# Altium PCB H204_without WiFi.PcbDoc (part 3 of 3)
Units mm, origin at the board's own origin, x right, y up, seen from the top; angles counter-clockwise.
Board outline 25 x 64 mm, 6 copper layers (Top Layer, Signal Layer 2, Internal Plane 3, Internal Plane 4, Signal Layer 5, Bottom Layer), stack 1.611 mm thick; 221 components, 142 nets, 826 pads, 353 vias.
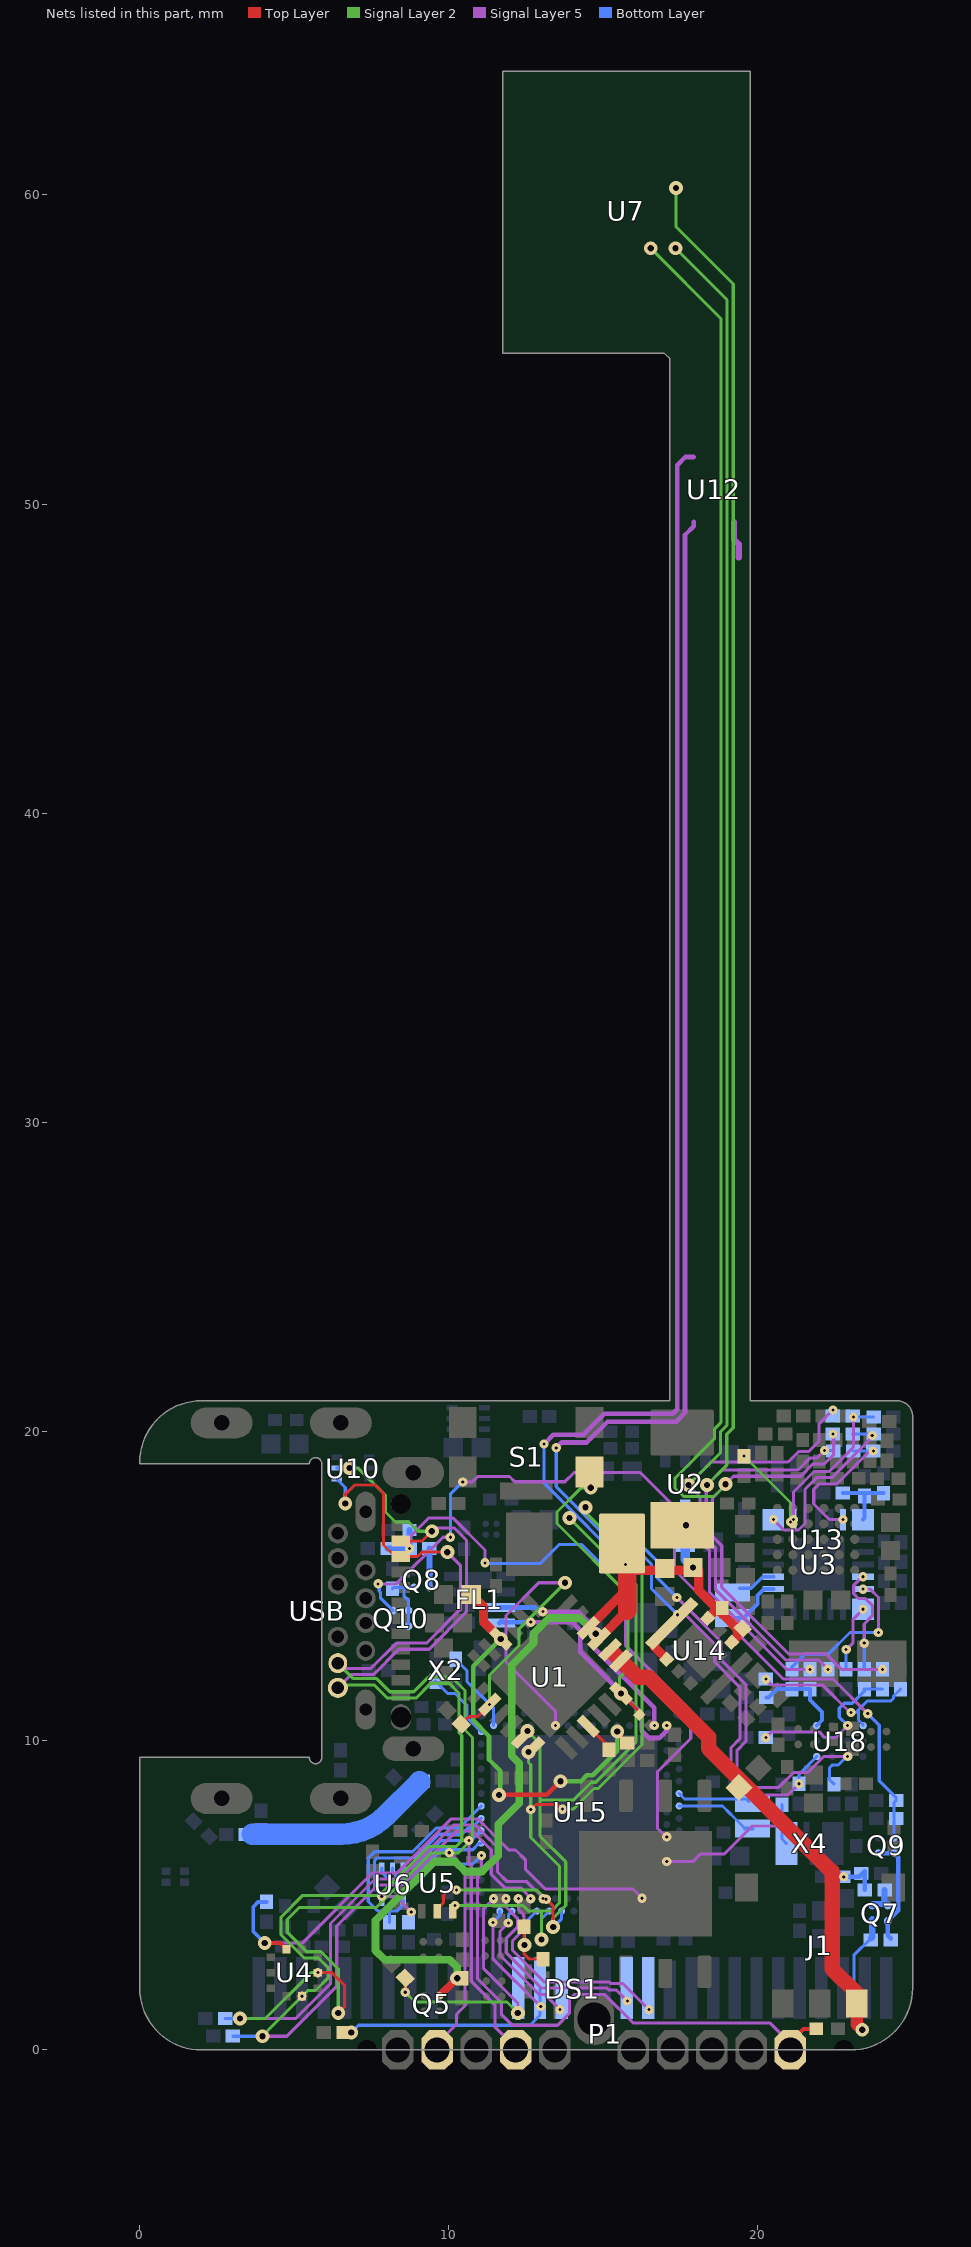
[diagram p7: the nets of this part, all layers, seen from the top]

## Via types
v1: diameter 0.3, hole 0.1, Signal Layer 5 to Bottom Layer, tented both sides, 123 vias
v2: diameter 0.45, hole 0.2, Top Layer to Bottom Layer, tented both sides, 108 vias
v3: diameter 0.3, hole 0.1, Top Layer to Signal Layer 2, tented both sides, 55 vias
v4: diameter 0.45, hole 0.2, Signal Layer 5 to Bottom Layer, tented both sides, 32 vias
v5: diameter 0.45, hole 0.2, Top Layer to Signal Layer 2, tented both sides, 23 vias
v6: diameter 0.45, hole 0.2, Signal Layer 2 to Signal Layer 5, tented both sides, 12 vias

## Nets (pads, with @x,y where several pads share a name; then routed paths per layer and width w, separated by ;. In a path a pad name is that pad's centre, name@x,y a point inside that pad or via, vN(x,y) a via of type N, cw(c..) or ccw(c..) an arc to the next point about the centre after c; other vN are vias at no path point) (continued)
NetQ7_D: Q7.D R64.1 | length 1
  Bottom Layer w0.2: Q7.D@23.697,4.672 23.749,4.725 Q7.D@24.197,4.725 ; Q7.D@24.095,4.725 R64.1@24.095,5.176
NetQ7_G: Q7.G Q9.D R5.1 | length 3.5
  Bottom Layer w0.15: Q9.D@23.9,6.367 Q9.D@24.4,6.367 24.537,6.23 24.537,4.513 Q7.G@24.197,4.172 24.197,3.703 R5.1@24.293,3.607
NetQ8_D: Q8.D R66.1 | length 1.3
  Bottom Layer w0.2: R66.1@9.37,16.217 9.373,16.214 Q8.D@9.373,15.46 Q8.D@9.373,14.96
NetQ8_G: Q8.G Q10.D R7.1 | length 2
  Bottom Layer w0.1: R7.1@8.173,14.919 8.214,14.96 Q8.G@8.873,14.96 ; 8.544,14.96 8.544,14.686 8.7,14.53 Q10.D@8.7,14.21 Q10.D@8.7,13.71
NetQ9_G: Q9.G Q10.G R1.2 R3.2 | length 28.2
  Signal Layer 5 w0.1: v1(7.713,15.076) 8.303,15.076 9.81,16.583 v1(10.05,16.583) ; v1(10.45,18.374) 10.756,18.374 10.932,18.55 11.963,18.55 12.135,18.378 13.754,18.378 14.052,18.676 16.187,18.676 17.298,17.565 17.298,15.522 20.82,12 22.426,12 v1(23.55,10.876)
  Bottom Layer w0.1: v1(7.713,15.076) 7.75,15.076 7.75,14.842 7.785,14.807 7.785,14.625 Q10.G@8.2,14.21 ; v1(10.05,16.583) 10.05,17.974 v1(10.45,18.374) ; v1(23.55,10.876) 23.923,10.503 23.923,8.706 24.468,8.161 R1.2@24.468,8.067 24.4,7.999 Q9.G@24.4,6.867
NetR9_2: R9.2 U1.9 | length 1
  Top Layer w0.1: U1.9@14.507,10.469 15.173,9.803 R9.2@15.173,9.712
NetR12_2: R12.2 U12.4 | length 1.2
  Signal Layer 5 w0.2: U12.4@19.225,49.425 19.225,48.85 19.375,48.7 R12.2@19.375,48.275
NetR26_2: R26.2 U13.B2 | length 2.8
  Signal Layer 2 w0.1: v3(19.55,19.21) 21.05,17.71 v3(21.05,17.076)
NetR36_2: R36.2 R52.1 R59.1 U3.19 | length 2.2
  Bottom Layer w0.125: R36.2@22.743,18.01 R59.1@23.45,18.01 ; U3.19@23.398,17.155 23.45,17.207 R59.1@23.45,18.01 ; R52.1@24.06,18.01 R59.1@23.45,18.01
NetR43_2: R43.2 U3.24 | length 5.1
  Signal Layer 5 w0.1: v1(23.398,14.905) 23.629,14.905 23.898,14.636 23.898,13.506 v1(23.892,13.5)
  Bottom Layer w0.1: R43.2@21.093,12.312 21.093,12.383 21.509,12.8 22.277,12.8 22.977,13.5 v1(23.892,13.5)
NetR44_2: R44.2 U3.1 | length 2.2
  Signal Layer 5 w0.1: v1(22.851,12.95) 23.076,13.175 23.076,13.933 v1(23.398,14.255)
  Bottom Layer w0.1: R44.2@22.851,12.312 v1(22.851,12.95)
NetR46_2: R46.2 U3.23 | length 3.6
  Signal Layer 5 w0.1: v1(23.398,15.305) 23.374,15.305 23.098,15.029 23.098,14.752 23.245,14.605 23.472,14.605 23.698,14.379 23.698,14.04 23.438,13.779 v1(23.438,13.159)
  Bottom Layer w0.1: R46.2@23.438,12.312 v1(23.438,13.159)
NetR48_2: R48.2 R55.1 U3.14 | length 5.1
  Signal Layer 5 w0.1: v1(21.148,17.155) 21.148,18.045 21.813,18.71 22.3,18.71 23.087,19.497 v1(23.087,20.476)
  Bottom Layer w0.1: R55.1@23.063,20.5 v1(23.087,20.476) R48.2@23.74,20.476
NetR49_2: R49.2 R53.1 U3.13 | length 6
  Signal Layer 5 w0.1: v1(20.498,17.155) 20.836,16.817 21.309,16.817 21.52,17.028 21.52,18.134 21.601,18.215 21.603,18.215 21.603,18.217 21.896,18.51 22.383,18.51 23.697,19.824 v1(23.697,19.876)
  Bottom Layer w0.1: R53.1@23.063,19.92 R49.2@23.74,19.92 v1(23.697,19.876)
NetR50_2: R50.2 R54.1 U3.18 | length 4.7
  Signal Layer 5 w0.1: v1(22.748,17.155) 22.307,17.155 21.803,17.659 21.803,18.134 21.979,18.31 22.558,18.31 23.624,19.376 v1(23.73,19.376)
  Bottom Layer w0.1: R54.1@23.08,19.376 v1(23.73,19.376)
NetR69_1: R69.1 X4.3 | length 1.3
  Bottom Layer w0.1: R69.1@20.775,7.933 20.775,6.823 X4.3@20.923,6.675
NetU3_8: U3.8 X3.1 | length 2.1
  Bottom Layer w0.125: X3.1@18.924,13.9 X3.1@19.174,13.9 ; X3.1@19.174,13.975 19.537,13.975 19.986,14.423 19.986,14.699 20.192,14.905 U3.8@20.498,14.905
NetU3_9: U3.9 X3.2 | length 1.2
  Bottom Layer w0.125: X3.2@19.413,14.932 19.782,14.932 20.155,15.305 U3.9@20.498,15.305
NetU14_1: U14.1 U14.7 | length 1
  Top Layer w0.3: U14.7@16.661,13.242 16.661,13.021 U14.1@17.046,12.636 ; U14.7@17.046,13.626 U14.7@17.214,13.794
NetU15_N1: U15.N1 X1.1 | length 2.4
  Bottom Layer w0.1: U15.N1@17.448,8.292 17.623,8.117 19.623,8.117 X1.1@19.7,8.04
NetU15_R1: U15.R1 X1.2 | length 2.7
  Bottom Layer w0.1: U15.R1@17.448,7.892 18.853,7.892 19.105,7.64 19.193,7.552 X1.2@19.581,7.165
  Bottom Layer w0.125: X1.2@19.581,7.165 X1.2@19.825,7.165
OLED_CS: DS1.13 R70.2 U15.AK30 | length 8.7
  Top Layer w0.1: v3(8.591,1.866) R70.2@8.591,2.329
  Signal Layer 5 w0.1: v1(11.448,4.892) 11.125,4.569 11.125,2.623 12.231,1.517 v2(12.231,1.2)
  Signal Layer 2 w0.1: v3(8.591,1.866) 8.906,1.551 11.88,1.551 v2(12.231,1.2)
OLED_D/C: DS1.15 U15.AL27 | length 4.3
  Signal Layer 5 w0.1: v1(11.925,4.105) 11.657,3.837 11.657,3.058 12.916,1.8 13.103,1.8 v1(13.599,1.304)
  Bottom Layer w0.1: v1(11.925,4.105) 11.925,4.369 U15.AL27@12.048,4.492
OLED_EN: R4.1 R8.1 U15.AL23 | length 3
  Top Layer w0.1: R8.1@12.425,3.992 12.425,3.117 12.604,2.938 R4.1@13.05,2.938 ; v2(12.448,3.39) v2@12.598,3.39
  Bottom Layer w0.1: v2(12.448,3.39) 12.448,3.779 12.525,3.856 12.525,4.169 U15.AL23@12.848,4.492
OLED_RES: DS1.14 R71.2 U15.AL29 | length 11
  Signal Layer 5 w0.1: v1(11.425,4.127) 11.425,2.954 v1(12.974,1.405)
  Bottom Layer w0.1: v2(6.844,0.567) 7.076,0.8 12.625,0.8 12.95,1.125 DS1.14@12.95,2 ; v1(11.425,4.127) 11.648,4.351 U15.AL29@11.648,4.492
OLED_SCLK: DS1.18 U15.AK28 | length 6.6
  Signal Layer 5 w0.1: v1(11.848,4.892) 11.848,4.624 12.224,4.248 12.224,4.23 12.225,4.229 12.225,3.981 11.857,3.613 11.857,3.141 12.999,2 15.114,2 15.169,1.945 15.408,1.945 v1(15.773,1.58)
OLED_SDIN: DS1.19 U15.AK26 | length 7.1
  Signal Layer 5 w0.1: v1(12.248,4.892) 12.248,4.542 12.424,4.366 12.424,4.313 12.425,4.312 12.425,3.898 12.057,3.53 12.057,3.224 13.081,2.2 15.197,2.2 15.252,2.145 15.632,2.145 v1(16.473,1.304)
Pres_INT: R24.2 U4.7 U15.AK6 | length 17.7
  Top Layer w0.125: v2(4.045,3.455) 4.558,3.455 U4.7@4.75,3.263
  Signal Layer 5 w0.1: v2(4.045,3.455) 5.255,3.455 7.53,5.73 8.33,5.73 10.076,7.476 10.936,7.476 11.346,7.066 11.346,7.06 11.938,6.468 12.157,6.468 12.475,6.15 12.475,5.851 13.119,5.207 15.957,5.207 16.248,4.917 v1(16.248,4.908)
  Bottom Layer w0.125: v2(4.045,3.455) 3.673,3.827 3.673,4.627 3.832,4.786 R24.2@4.098,4.786
PSEL: R62.1 U1.2 U15.B20 | length 12.7
  Top Layer w0.1: R62.1@10.4,10.534 10.646,10.78 10.929,10.78 U1.2@11.325,11.176
  Signal Layer 5 w0.1: v1(13.448,10.492) 13.448,10.952 11.851,12.548 11.851,14.053 12.912,15.113 v2(13.763,15.113)
  Signal Layer 2 w0.1: v3(11.322,11.18) 11.322,12.127 12.275,13.08 12.275,13.625 v2(13.763,15.113)
QON: D1.2 S1.2 U1.12 | length 9.9
  Top Layer w0.1: S1.2@14.55,18.7 14.591,18.659 v5(14.591,18.186) ; v5(15.568,11.53) 16.161,10.937 D1.2@16.161,10.839 D1.2@16.213,10.839
  Signal Layer 2 w0.1: v5(14.591,18.186) 14.284,18.186 13.5,17.402 13.5,17.028 15.8,14.728 15.8,12.33 15.525,12.055 15.525,11.573 v5(15.568,11.53)
R\E\S\E\T\: C21.1 P1.10 U6.4 U15.AC31 | length 21
  Top Layer w0.125: P1.10@21.228,0.441 21.467,0.68 C21.1@21.883,0.68
  Signal Layer 5 w0.1: v1(11.055,6.292) 11.055,5.73 10.925,5.6 10.925,2.308 11.7,1.533 11.7,1.15 12.05,0.8 13.519,0.8 13.899,1.18 13.899,1.625 14.074,1.8 15.031,1.8 15.956,0.875 20.375,0.875 P1.10@21.05,0.2
  Bottom Layer w0.1: U6.4@7.83,5.887 7.83,5.748 8.215,5.362 8.909,5.362 9.564,6.017 10.773,6.017 U15.AC31@11.048,6.292 v1(11.055,6.292)
REGN: C33.1 R31.1 U1.22 | length 13.1
  Top Layer w0.1: v5(15.448,10.298) R31.1@15.778,9.967
  Top Layer w0.15: v5(11.626,8.25) 13.169,8.25 v5(13.611,8.692)
  Top Layer w0.3: C33.1@10.725,14.73 11.124,14.331 11.124,13.853 v5(11.679,13.297)
  Signal Layer 2 w0.15: v5(11.626,8.25) 11.664,8.288 11.664,9.032 11.3,9.396 11.3,10.144 10.786,10.658 10.786,12.405 v5(11.679,13.297) ; v5(13.611,8.692) 14.275,8.692 14.466,8.883 14.659,8.883 15.448,9.673 v5(15.448,10.298)
RF: C78.2 L3.1 L4.1 L6.1 | length 6
  Bottom Layer w0.7: L4.1@3.65,6.98 6.517,6.98 ccw(c6.517,9.029) 7.966,7.58 L6.1@9.052,8.666
RSTN_1.8V: R45.2 R47.1 U18.A3 | length 5.7
  Signal Layer 5 w0.1: v1(20.254,11.992) 20.447,11.8 22.092,11.8 22.979,10.914 v1(23.009,10.914)
  Bottom Layer w0.1: v1(23.009,10.914) 23.163,10.914 23.25,11 ; U18.A3@23.4,10.492 23.4,10.522 23.25,10.672 23.25,11 ; R47.1@24.61,11.672 24.384,11.446 24.384,11.375 24.296,11.287 23.537,11.287 23.25,11
RX: R32.1 U6.3 U15.U31 | length 6.6
  Signal Layer 5 w0.1: v1(7.83,4.969) 8.276,4.969 v1(8.784,4.462)
  Bottom Layer w0.1: U6.3@7.83,4.837 v1(7.83,4.969) 7.595,5.204 7.595,6.124 7.683,6.212 8.91,6.212 9.675,6.977 10.415,6.977 10.614,7.175 10.731,7.175 U15.U31@11.048,7.492
SCL1: R29.2 U1.5 U5.13 U12.1 U15.AL19 U18.D1 | length 78.6
  Top Layer w0.1: U5.13@9.624,4.487 9.624,4.562 9.825,4.763 9.825,5.01 9.991,5.176 v3(10.25,5.176) ; v3(13.149,4.876) 13.375,4.65 v2(13.375,3.973)
  Signal Layer 5 w0.1: v1(17.4,14.076) 17.654,14.076 18.6,13.13 18.6,12.547 19.414,11.733 19.414,10.069 19.125,9.78 19.125,8.8 19.675,8.25 20.97,8.25 v1(21.329,8.609)
  Signal Layer 5 w0.15: v1(13.081,19.6) 13.381,19.9 14.355,19.9 15.03,20.575 17.246,20.575 17.389,20.718 17.389,51.264 17.65,51.525 U12.1@17.925,51.525
  Signal Layer 2 w0.1: v3(10.25,5.176) 12.849,5.176 v3(13.149,4.876) ; v5(12.547,10.312) 12.95,9.909 12.95,6.915 13.781,6.084 13.781,4.673 13.375,4.268 v2(13.375,3.973) ; 12.95,8.088 14.042,8.088 14.612,8.658 14.752,8.658 16.05,9.957 16.05,15.056 v2(13.899,17.207)
  Bottom Layer w0.1: v1(13.081,19.6) 13.081,18.329 14.051,17.359 15.011,16.4 15.862,16.4 16.556,15.706 16.556,14.92 v1(17.4,14.076) ; v2(13.375,3.973) 13.648,4.246 U15.AL19@13.648,4.492 ; v1(21.329,8.609) 21.329,8.922 U18.D1@21.9,9.492
SCL1_1.8V: R37.2 R41.2 R43.1 U18.D3 | length 2.9
  Bottom Layer w0.125: R41.2@20.27,11.404 20.341,11.404 20.609,11.672 R43.1@21.093,11.672 R37.2@21.679,11.672 21.679,11.321 22.073,10.927 22.073,10.665 U18.D3@21.9,10.492
SCL2: R21.2 U4.2 U10.5 U15.AK24 USB.A2 USB.B2 | length 51.3
  Top Layer w0.1: USB.A2@8.263,16.46 USB.A2@8.45,16.46 9.134,16.46 v2(9.45,16.776)
  Signal Layer 5 w0.1: v2(3.972,0.442) 4.76,0.442 6.375,2.057 6.375,4.009 7.695,5.33 8.495,5.33 10.242,7.076 10.771,7.076 10.946,6.9 10.946,6.894 11.373,6.467 11.373,5.673 11.803,5.242 12.322,5.242 12.648,4.917 v1(12.648,4.892) ; USB.B2@6.41,11.71 6.842,12.142 7.566,12.142 8.384,12.96 9.363,12.96 10.574,14.171 10.574,16.483 10.174,16.883 9.557,16.883 v2(9.45,16.776)
  Signal Layer 2 w0.1: v2(3.972,0.442) 3.972,0.459 v3(5.25,1.737) 5.438,1.925 5.69,1.925 6.1,2.335 6.1,2.656 5.78,2.976 5.32,2.976 4.575,3.721 4.575,4.3 5.275,5 7.769,5 9.344,6.575 10.231,6.575 10.419,6.763 10.419,10.174 10.325,10.267 10.325,11.545 10.01,11.86 9.42,11.86 8.945,11.385 8.007,11.385 7.582,11.81 6.41,11.81 USB.B2@6.41,11.71 ; v2(6.786,18.82) 7.075,18.82 7.95,17.945 7.95,17.402 8.275,17.077 8.714,17.077 9.015,16.776 v2(9.45,16.776)
  Bottom Layer w0.1: R21.2@3.016,0.444 3.97,0.444 v2(3.972,0.442) ; U10.5@6.375,18.82 v2(6.786,18.82)
SDA1: R30.2 U1.6 U5.14 U12.6 U15.AL21 U18.B1 | length 76.8
  Top Layer w0.1: v3(12.65,7.776) 12.814,7.94 13.527,7.94 v3(13.679,7.788)
  Signal Layer 5 w0.1: v1(17.375,14.638) 18.8,13.213 18.8,12.63 19.614,11.816 19.614,9.987 19.325,9.697 19.325,8.883 19.716,8.492 20.673,8.492 21.153,8.972 21.605,8.972 22.125,9.492 v1(22.9,9.492)
  Signal Layer 5 w0.15: v1(13.475,19.476) 13.649,19.65 14.458,19.65 15.133,20.325 17.349,20.325 17.639,20.614 17.639,49.002 17.925,49.289 U12.6@17.925,49.425
  Signal Layer 2 w0.1: v3(10.2,4.676) 12.389,4.676 12.565,4.5 12.998,4.5 ; v5(12.575,9.633) 12.575,9.3 12.65,9.225 v3(12.65,7.776) 12.65,6.871 13.581,5.94 13.581,4.756 13.325,4.5 12.998,4.5 ; v2(12.998,3.572) 12.998,4.5 ; v3(13.679,7.788) 14.025,7.788 14.695,8.458 14.835,8.458 16.25,9.874 16.25,15.552 14.426,17.376 v2(14.426,17.551)
  Bottom Layer w0.1: v2(12.998,3.572) 12.998,4.242 U15.AL21@13.248,4.492 ; v1(13.475,19.476) 13.475,18.219 v2@14.284,17.409 ; v2(14.426,17.551) v2@14.284,17.409 ; v1(17.375,14.638) 16.756,15.257 16.756,15.789 15.944,16.6 15.094,16.6 v2@14.284,17.409 ; R30.2@22.464,8.596 22.315,8.744 22.315,9.125 22.413,9.222 22.604,9.222 22.874,9.492 v1(22.9,9.492)
SDA1_1.8V: R38.2 R42.2 R46.1 U18.B3 | length 5.3
  Signal Layer 5 w0.1: v1(20.254,10.102) 20.441,10.288 21.978,10.288 22.164,10.102 22.51,10.102 v1(22.9,10.492)
  Bottom Layer w0.1: v1(22.9,10.492) 22.628,10.764 22.628,11.058 22.784,11.214 23.05,11.214 23.438,11.601 R46.1@23.438,11.672 R38.2@24.024,11.672
SDA2: R20.2 U4.4 U10.4 U15.AK22 USB.A3 USB.B3 | length 54.9
  Top Layer w0.1: v3(5.762,2.5) 6.224,2.5 6.627,2.097 6.627,1.396 v5(6.423,1.192) ; v2(6.65,17.676) 6.65,17.972 6.954,18.276 7.616,18.276 7.888,18.004 7.888,16.335 8.263,15.96 USB.A3@8.45,15.96 8.991,15.96 9.132,16.101 v2(9.95,16.101)
  Signal Layer 5 w0.1: v2(3.248,1.017) 5.053,1.017 6.175,2.14 6.175,4.092 7.612,5.53 8.412,5.53 10.159,7.276 10.853,7.276 11.146,6.983 11.146,6.977 11.573,6.55 11.573,5.756 11.886,5.442 12.522,5.442 13.048,4.917 v1(13.048,4.892) ; USB.B3@6.41,12.51 6.578,12.342 7.483,12.342 8.301,13.16 9.28,13.16 10.374,14.254 10.374,15.678 v2(9.95,16.101)
  Signal Layer 2 w0.1: v2(3.248,1.017) 4.067,1.017 5.55,2.5 v3(5.762,2.5) ; USB.B3@6.41,12.51 6.91,12.01 7.665,12.01 8.09,11.585 8.862,11.585 9.337,12.06 10.092,12.06 10.525,11.627 10.525,10.35 10.767,10.108 10.767,6.828 10.314,6.375 9.426,6.375 7.663,4.612 5.17,4.612 4.775,4.217 4.775,3.804 5.403,3.176 5.863,3.176 6.423,2.616 v5(6.423,1.192)
  Bottom Layer w0.1: R20.2@2.768,1.017 v2(3.248,1.017) ; U10.4@6.375,18.47 6.65,18.195 v2(6.65,17.676)
Sensor_INT_1.8V: R40.1 R54.2 U7.13 | length 55.9
  Signal Layer 5 w0.1: v1(22.15,19.386) 21.915,19.151 21.688,19.151 21.295,18.757 18.831,18.757 v2(18.35,18.276) 18.325,18.251 18.325,16.533 18.629,16.229 18.629,14.887 20.903,12.612 21.965,12.612 v1(22.265,12.312)
  Signal Layer 2 w0.1: v6(17.35,60.226) 17.35,58.969 19.2,57.119 19.2,20.125 18.989,19.914 18.989,18.915 v2(18.35,18.276)
  Bottom Layer w0.1: v1(22.15,19.386) 22.43,19.386 R54.2@22.44,19.376
Sensor_SCL_1.8V: R37.1 R55.2 U7.2 | length 55.3
  Signal Layer 5 w0.1: v1(21.679,12.312) 20.92,12.312 18.429,14.804 18.429,16.146 18.125,16.45 18.125,17.899 v2(17.748,18.276) 18.487,19.015 20.975,19.015 21.311,19.351 21.631,19.351 21.978,19.698 21.978,20.255 v1(22.423,20.7)
  Signal Layer 2 w0.1: v6(17.33,58.276) 19,56.606 19,20.208 18.789,19.996 18.789,19.317 v2(17.748,18.276)
Sensor_SDA_1.8V: R38.1 R53.2 U7.3 | length 58.1
  Signal Layer 5 w0.1: v1(22.423,19.92) 22.45,19.893 22.45,19.262 22.139,18.951 21.771,18.951 21.378,18.557 19.207,18.557 v2(18.95,18.3) 18.95,18.275 18.525,17.85 18.525,17.382 18.526,17.381 18.526,16.615 18.829,16.312 18.829,14.969 20.986,12.812 22.196,12.812 22.696,12.312 v1(24.024,12.312)
  Signal Layer 2 w0.1: v6(16.53,58.276) 18.8,56.006 18.8,20.291 18.589,20.079 18.589,19.764 17.317,18.493 17.317,18.176 17.594,17.9 18.575,17.9 18.95,18.275 v2(18.95,18.3)
SWDCLK: P1.4 U6.6 U15.W31 | length 10.2
  Signal Layer 5 w0.1: v1(10.646,6.776) 10.646,6.031 10.725,5.952 10.725,2.225 11.5,1.45 11.5,0.734 11.729,0.505 P1.4@12.225,0.505
  Bottom Layer w0.1: U6.6@8.53,5.887 8.868,5.887 9.757,6.776 v1(10.646,6.776) 10.732,6.776 U15.W31@11.048,7.092
SWDIO: P1.2 U6.5 U15.AA31 | length 10
  Signal Layer 5 w0.1: P1.2@9.861,0.441 10.25,0.83 10.25,1.15 10.525,1.425 10.525,5.87 v1(10.015,6.38)
  Bottom Layer w0.1: U6.5@8.18,5.887 8.18,5.748 8.365,5.562 8.826,5.562 9.74,6.476 10.771,6.476 10.946,6.652 10.946,6.676 11.032,6.676 U15.AA31@11.048,6.692
TX: R6.1 U6.1 U15.R31 | length 7.6
  Bottom Layer w0.1: R6.1@8.075,4.125 8.075,4.475 8.05,4.5 ; U6.1@8.53,4.837 8.53,4.698 8.332,4.5 8.05,4.5 ; U15.R31@11.048,7.892 10.333,7.177 9.592,7.177 8.827,6.412 7.6,6.412 7.395,6.207 7.395,4.8 7.695,4.5 8.05,4.5
USB_N: FL1.7 U15.B4 | length 7.3
  Signal Layer 5 w0.15: v1(13.041,14.176) 14.19,14.176 14.709,13.657 14.709,13 16.644,11.065 v1@16.644,10.492
  Bottom Layer w0.15: FL1.7@11.639,14.312 12.785,14.312 12.921,14.176 v1(13.041,14.176)
  other v1: 16.648,10.492
USB_P: FL1.8 U15.B2 | length 8
  Signal Layer 5 w0.15: v1(12.65,13.837) 13.993,13.837 14.254,13.576 14.254,12.884 16.24,10.897 16.24,10.325 16.477,10.088 16.811,10.088 17.048,10.325 v1(17.048,10.492)
  Bottom Layer w0.15: FL1.8@11.639,13.812 11.64,13.811 11.705,13.876 11.744,13.837 v1(12.65,13.837)
VBat: C66.1 J1.1 Q7.S R5.2 U1.13 U1.14 | length 19.7
  Top Layer w0.4: J1.1@23.2,1.5 23.2,0.826 v2(23.373,0.653)
  Top Layer w0.5: U1.14@15.314,12.844 U1.13@15.568,12.59 16.098,12.06 16.458,12.06 18.402,10.116 18.402,9.756 22.4,5.758 22.4,2.625 23.2,1.825 J1.1@23.2,1.5
  Bottom Layer w0.1: v2(23.373,0.653) 23.1,0.926 23.1,3.062 23.644,3.607 R5.2@23.653,3.607
  Bottom Layer w0.2: R5.2@23.653,3.607 23.697,3.65 Q7.S@23.697,4.225
VBat_M: C90.1 R64.2 R65.1 U15.AD2 | length 8.2
  Signal Layer 5 w0.1: v1(17.048,6.092) 17.891,6.092 18.135,6.337 18.909,6.337 19.822,7.25 21.123,7.25 v1(22.773,5.6)
  Bottom Layer w0.15: v1(22.773,5.6) 23.28,5.6 23.455,5.775 R64.2@23.455,5.176
Vsys: C81.1 C86.1 C92.1 C93.1 C94.1 L1.2 L7.1 Q5.S R13.2 U1.15 U1.16 U2.5 U14.4 U14.6 | length 33.7
  Top Layer w0.25: Q5.S@9.7,1.75 v5(10.27,2.32) R13.2@10.425,2.32
  Top Layer w0.3: U1.16@14.507,13.651 15.775,14.919 ; U1.15@14.861,13.297 15.775,14.212 ; L1.2@15.525,16.61 L1.2@15.775,16.36 ; L1.2@15.775,15.517 18.085,15.517 18.085,14.858 18.641,14.303 C94.1@18.677,14.267 ; U14.6@18.372,13.962 C94.1@18.677,14.267 ; U14.4@19.15,13.184 19.322,13.356 19.322,13.631 18.874,14.08 18.864,14.08 C94.1@18.677,14.267
  Top Layer w0.6: 15.775,14.212 15.775,14.919 15.775,15.517 L1.2@15.775,16.36
  Signal Layer 2 w0.25: v5(10.27,2.32) 10.27,2.67 10.023,2.917 7.924,2.917 7.625,3.216 7.625,4.185 9.533,6.092 10.208,6.092 10.525,5.775 11.085,5.775 11.597,6.287 11.597,7.302 12.276,7.981 12.276,9.274 12.033,9.517 12.033,12.449 12.74,13.156 12.74,13.463 13.251,13.975 14.235,13.975 v5(14.75,13.46)
  Bottom Layer w0.3: U2.5@17.648,17.405 17.648,15.852 v2(17.898,15.602)
  other v2: 17.675,16.97
VUSB_M: C91.1 R66.2 R67.1 U15.Y2 | length 20.6
  Signal Layer 5 w0.1: v1(8.73,16.217) 8.73,16.586 9.345,17.202 10.138,17.202 11.169,16.171 v1(11.169,15.755) ; v1(15.708,15.705) 15.708,13.093 17.825,10.976 17.825,10.075 16.748,8.998 16.748,7.168 17.024,6.892 v1(17.048,6.892)
  Bottom Layer w0.1: v1(11.169,15.755) 11.189,15.734 12.962,15.734 13.581,16.353 14.281,16.353 14.929,15.705 v1(15.708,15.705)
  Bottom Layer w0.2: R67.1@8.018,16.217 v1(8.73,16.217) C91.1@8.73,16.817
XC1: U15.C31 X2.1 | length 2.4
  Bottom Layer w0.1: X2.1@9.575,11.927 9.575,11.918 9.963,11.53 10.201,11.53 10.594,11.137 10.594,10.746 U15.C31@11.048,10.292
XC2: U15.B30 X2.3 | length 2.6
  Bottom Layer w0.1: X2.3@10.225,12.632 10.588,12.27 10.588,11.912 11.448,11.052 U15.B30@11.448,10.492
pads on no net: DS1.7 DS1.20 J1.4 J1.5 P1.0 P1.6 S1.3 S1.4 S1.5 U1.3 U1.4 U1.8 U1.10 U3.2 U3.3 U3.4 U3.5 U3.15 U3.16 U3.17 U3.20 U3.21 U5.2 U5.3 U5.10 U5.11 U7.1 U7.5 U7.6 U7.7 U7.8 U7.14 U10.3 U11.1 U11.3 U12.3 U12.7 U13.C2 U15. U15.A1 U15.A31 U15.AG31 U15.AK4 U15.AK16 U15.AK18 U15.AK20 U15.AL1 U15.AL13 U15.AL15 U15.AL31 U15.D2 U15.F2 U15.J1 U15.K2 U15.T2 U15.W1 USB. X4.1

## Polygon pours and split planes (outlines as drawn)
GND on Bottom Layer "GND_L04_P010" (solid, remove dead copper, pour order 10): 0,0 40.573,0 40.573,65 0,65
GND on Top Layer "GND_L01_P006" (solid, remove dead copper, pour order 6): 0,0 40.6,0 40.6,65.6 0,65.6
GND on Signal Layer 2 "GND_L02_P012" (solid, remove dead copper, pour order 12): -0.1,0 40.6,0 40.6,64.4 -0.1,64.4
GND on Signal Layer 5 "GND_L03_P008" (solid, remove dead copper, pour order 8): 0,0 40.6,0 40.6,65.2 0,65.2
3.3V on Internal Plane 3 (split plane): 19.24,21 19.249,20.9 19.278,20.805 19.326,20.716 19.389,20.639 19.466,20.576 19.555,20.528 19.65,20.499 19.75,20.49 24.49,20.49 24.49,2 24.49,1.853 24.432,1.566 24.32,1.294 24.157,1.05 23.95,0.843 23.706,0.68 23.434,0.568 23.147,0.51 22.401,0.51 22.401,5.9 22.396,5.959 22.379,6.015 22.351,6.067 22.313,6.113 20.322,8.104 20.322,10.429 20.316,10.488 20.299,10.545 20.271,10.597 20.234,10.642 18.153,12.723 18.107,12.761 18.055,12.788 17.999,12.806 17.94,12.811 6.711,12.811 6.81,12.91 7.31,12.91 7.31,13.81 7.31,15.81 6.41,16.71 6.4,16.7 6.4,18.96 6.398,18.985 6.398,19.01 6.394,19.049 6.389,19.074 6.387,19.099 6.38,19.123 6.375,19.147 6.365,19.17 6.358,19.194 6.328,19.266 6.296,19.326 6.281,19.355 6.242,19.402 6.217,19.432 6.162,19.487 6.128,19.515 6.085,19.551 6.075,19.556 6.075,20.49 17.15,20.49 17.25,20.499 17.345,20.528 17.434,20.576 17.511,20.639 17.574,20.716 17.622,20.805 17.651,20.9 17.66,21 17.66,54.7 17.651,54.8 17.622,54.895 17.574,54.984 17.511,55.061 17.335,55.237 17.258,55.3 17.169,55.348 17.074,55.377 16.974,55.386 12.26,55.386 12.26,63.49 19.24,63.49
+V_NRF on Internal Plane 3 (split plane): 6.41,12.209 17.815,12.209 19.719,10.304 19.719,7.979 19.725,7.92 19.742,7.864 19.77,7.812 19.808,7.766 21.799,5.775 21.799,0.51 2,0.51 1.853,0.51 1.566,0.568 1.294,0.68 1.05,0.843 0.843,1.05 0.68,1.294 0.574,1.551 3.2,1.551 3.2,6.551 0.51,6.551 0.51,8.95 5.201,8.95 5.218,8.933 5.248,8.908 5.295,8.869 5.324,8.854 5.384,8.822 5.456,8.792 5.502,8.778 5.551,8.763 5.597,8.759 5.651,8.753 5.729,8.753 5.783,8.759 5.829,8.763 5.878,8.778 5.924,8.792 5.996,8.822 6.05,8.851 6.085,8.869 6.128,8.905 6.162,8.933 6.217,8.988 6.242,9.018 6.281,9.065 6.296,9.094 6.328,9.154 6.358,9.226 6.365,9.25 6.375,9.273 6.38,9.297 6.387,9.321 6.389,9.346 6.394,9.371 6.398,9.41 6.398,9.435 6.4,9.46 6.4,12.209
no net on Internal Plane 4 (split plane): 178 vertices, not listed, extent 0.51,0.51 24.49,63.49

## Keep-outs
Keep-Out Layer:
  lines w0.1: 0,9.46 0,2 ccw(c2,2) 2,0 23,0 ccw(c23,2) 25,2 25,20.5 ccw(c24.5,20.5) 24.5,21 19.75,21 19.75,64 11.75,64 11.75,54.876 16.974,54.876 17.15,54.7 17.15,21 2,21 ccw(c2,19) 0,19 0,18.96

## Other copper
Top Layer:
  pour cut-out: 10.623,3.862 10.623,4.231 10.393,4.462 9.466,4.462 9.466,3.872 9.601,3.736 10.395,3.736
  region net Vsys: 14.689,12.917 14.223,13.383 14.223,13.592 15.198,14.567 15.198,15.429 15.362,15.592 16.348,15.592 16.348,15.56 16.45,15.458 16.45,14.407 15.823,13.78 15.548,13.78
  region net NetC19_1: 12.548,13.617 13.223,14.292 13.223,15.567 12.098,15.567 11.898,15.367 11.898,14.258 11.998,14.158
  text "1 - TOP" at -0.575,-16.55 h1.52
Signal Layer 5:
  text "5 - MID Layer / Flex" at -0.595,-27.131 h1.52
Signal Layer 2:
  text "2 - MID Layer / Flex" at -0.595,-19.137 h1.52
Bottom Layer:
  pour cut-out: 9.538,10.102 9.538,9.492 9.874,9.125 10.348,9.014 10.836,9.092 11.048,9.492 11.048,10.292 9.875,10.539
  region net 5V_MAX: 15.7,20.176 15.701,20.175 15.701,18.454 15.826,18.33 16.904,18.33 17.15,18.576 17.15,19.648 16.622,20.176
  text "6 - BOTTOM" at -0.525,-29.975 h1.52
Internal Plane 3 (plane layer: these items are gaps in the copper):
  pour cut-out: 0,18.96 5.89,18.96 6.075,19.145 6.075,21.375 5.95,21.525 5.375,21.525 0,21.475
  pour cut-out: 3.2,1.551 3.2,6.551 -0.35,6.551 -0.35,1.551
  pour cut-out: 6.41,12.51 6.81,12.91 7.31,12.91 7.31,13.81 7.31,15.81 6.41,16.71 5.89,16.19 5.89,12.7
  lines w0.6: 6.41,12.51 17.94,12.51 20.021,10.429 20.021,7.979 22.1,5.9 22.1,0
  text "3 - MID Layer / Flex" at -0.595,-21.802 h1.52
Internal Plane 4 (plane layer: these items are gaps in the copper):
  pour cut-out: -0.35,6.551 3.2,6.551 3.2,1.551 -0.35,1.551
  pour cut-out: 6.41,15.91 6.81,15.51 7.31,15.51 7.31,12.91 6.91,12.51 6.14,12.51 5.75,12.9 5.75,15.425
  text "4 - MID Layer / Flex" at -0.595,-24.466 h1.52
Multi-Layer:
  pour cut-out: -0.35,6.551 3.2,6.551 3.2,1.551 -0.35,1.551

## Silkscreen, mask and mechanical layers (free items; w line width, h text height)
Top Overlay:
  text "- +" at 19.618,6.042 h1.52
Assembly_TOP:
  text "Assembly_TOP" at -0.595,-13.808 h1.52
50_Ohm_Bot:
  region: 1.3,6.551 1.3,5.051 2,5.051 2,6.551
  lines w0.25: 9.801,8.693 9.802,8.692 10.258,8.692 11.048,8.692
  lines w0.7: 1.921,6.512 2.044,6.636 2.15,6.742 cw(c2.696,6.196) 2.696,6.968 ; 3.65,6.98 6.517,6.98 ccw(c6.517,9.029) 7.966,7.58 9.052,8.666
  text "50 Ohm BOT" at -0.595,-35.633 h1.52
Drill Drawing:
  drawing of 1106 lines, arcs and shapes, not listed
  text "Layer" at -129.062,361.291 h1.52
  text "Name" at -118.651,361.291 h1.52
  text "Material" at -92.242,361.291 h1.52
  text "Thickness" at -70.404,361.291 h1.52
  text "Constant" at -53.898,361.291 h1.52
  text "Rigid" at -39.424,361.291 h1.52
  text "Flex" at -26.473,361.291 h1.52
  text "1" at -129.062,358.243 h1.52
  text "Top Overlay" at -118.651,358.243 h1.52
  text "2" at -129.062,355.195 h1.52
  text "Top Solder" at -118.651,355.195 h1.52
  text "Solder Resist" at -92.242,355.195 h1.52
  text "0,020mm" at -70.404,355.195 h1.52
  text "3,5" at -53.898,355.195 h1.52
  text "3" at -129.062,352.147 h1.52
  text "Top Layer" at -118.651,352.147 h1.52
  text "Copper" at -92.242,352.147 h1.52
  text "0,035mm" at -70.404,352.147 h1.52
  text "4" at -129.062,349.099 h1.52
  text "FR4" at -118.651,349.099 h1.52
  text "0,600mm" at -70.404,349.099 h1.52
  text "4,6" at -53.898,349.099 h1.52
  text "5" at -129.062,346.051 h1.52
  text "Pure gum" at -118.651,346.051 h1.52
  text "0,012mm" at -70.404,346.051 h1.52
  text "4,6" at -53.898,346.051 h1.52
  text "6" at -129.062,343.003 h1.52
  text "Coverlay" at -118.651,343.003 h1.52
  text "0,012mm" at -70.404,343.003 h1.52
  text "4,6" at -53.898,343.003 h1.52
  text "7" at -129.062,339.955 h1.52
  text "Adhesive" at -118.651,339.955 h1.52
  text "0,015mm" at -70.404,339.955 h1.52
  text "4,6" at -53.898,339.955 h1.52
  text "8" at -129.062,336.907 h1.52
  text "Signal Layer 2" at -118.651,336.907 h1.52
  text "Copper" at -92.242,336.907 h1.52
  text "0,018mm" at -70.404,336.907 h1.52
  text "9" at -129.062,333.859 h1.52
  text "Adhesive" at -118.651,333.859 h1.52
  text "0,012mm" at -70.404,333.859 h1.52
  text "3,4" at -53.898,333.859 h1.52
  text "10" at -129.062,330.811 h1.52
  text "Polyimide" at -118.651,330.811 h1.52
  text "0,025mm" at -70.404,330.811 h1.52
  text "3,4" at -53.898,330.811 h1.52
  text "11" at -129.062,327.763 h1.52
  text "Internal Plane 3" at -118.651,327.763 h1.52
  text "Copper" at -92.242,327.763 h1.52
  text "0,018mm" at -70.404,327.763 h1.52
  text "12" at -129.062,324.715 h1.52
  text "Adhesive" at -118.651,324.715 h1.52
  text "0,012mm" at -70.404,324.715 h1.52
  text "3,4" at -53.898,324.715 h1.52
  text "13" at -129.062,321.667 h1.52
  text "Polyimide" at -118.651,321.667 h1.52
  text "0,025mm" at -70.404,321.667 h1.52
  text "3,4" at -53.898,321.667 h1.52
  text "14" at -129.062,318.619 h1.52
  text "Adhesive" at -118.651,318.619 h1.52
  text "0,012mm" at -70.404,318.619 h1.52
  text "3,4" at -53.898,318.619 h1.52
  text "15" at -129.062,315.571 h1.52
  text "Internal Plane 4" at -118.651,315.571 h1.52
  text "Copper" at -92.242,315.571 h1.52
  text "0,018mm" at -70.404,315.571 h1.52
  text "16" at -129.062,312.523 h1.52
  text "Polyimide" at -118.651,312.523 h1.52
  text "0,012mm" at -70.404,312.523 h1.52
  text "3,4" at -53.898,312.523 h1.52
  text "17" at -129.062,309.475 h1.52
  text "Adhesive" at -118.651,309.475 h1.52
  text "0,012mm" at -70.404,309.475 h1.52
  text "3,4" at -53.898,309.475 h1.52
  text "18" at -129.062,306.427 h1.52
  text "Signal Layer 5" at -118.651,306.427 h1.52
  text "Copper" at -92.242,306.427 h1.52
  text "0,018mm" at -70.404,306.427 h1.52
  text "19" at -129.062,303.379 h1.52
  text "Adhesive" at -118.651,303.379 h1.52
  text "0,015mm" at -70.404,303.379 h1.52
  text "4,6" at -53.898,303.379 h1.52
  text "20" at -129.062,300.331 h1.52
  text "Coverlay" at -118.651,300.331 h1.52
  text "0,012mm" at -70.404,300.331 h1.52
  text "4,6" at -53.898,300.331 h1.52
  text "21" at -129.062,297.283 h1.52
  text "Pure gum" at -118.651,297.283 h1.52
  text "0,012mm" at -70.404,297.283 h1.52
  text "4,6" at -53.898,297.283 h1.52
  text "22" at -129.062,294.235 h1.52
  text "FR4" at -118.651,294.235 h1.52
  text "0,680mm" at -70.404,294.235 h1.52
  text "4,6" at -53.898,294.235 h1.52
  text "23" at -129.062,291.187 h1.52
  text "Bottom Layer" at -118.651,291.187 h1.52
  text "Copper" at -92.242,291.187 h1.52
  text "0,035mm" at -70.404,291.187 h1.52
  text "24" at -129.062,288.139 h1.52
  text "Bottom Solder" at -118.651,288.139 h1.52
  text "Solder Resist" at -92.242,288.139 h1.52
  text "0,020mm" at -70.404,288.139 h1.52
  text "3,5" at -53.898,288.139 h1.52
  text "25" at -129.062,285.091 h1.52
  text "Bottom Overlay" at -118.651,285.091 h1.52
  text "Flex section" at 48.423,202.865 h1.52
  text "Symbol" at 19.4,197.746 h1.83
  text "Count" at 32.249,197.746 h1.83
  text "Hole Size" at 45.707,197.746 h1.83
  text "Plated" at 72.623,197.746 h1.83
  text "Hole Type" at 85.473,197.746 h1.83
  text "Drill Layer Pair" at 104.111,197.746 h1.83
  text "Via/Pad" at 152.611,197.746 h1.83
  text "Pad Shape" at 167.593,197.746 h1.83
  text "Template" at 186.536,197.746 h1.83
  text "Description" at 205.581,197.746 h1.83
  text "Hole Tolerance (+)" at 227.266,197.746 h1.83
  text "Hole Tolerance (-)" at 261.14,197.746 h1.83
  text "Hole Length" at 295.014,197.746 h1.83
  text "Routed Path Length" at 317.004,197.746 h1.83
  text "12" at 32.249,193.936 h1.52
  text "0,200mm (7,87mil)" at 45.707,193.936 h1.52
  text "PTH" at 72.623,193.936 h1.52
  text "Round" at 85.473,193.936 h1.52
  text "Signal Layer 2 - Signal Layer 5" at 104.111,193.936 h1.52
  text "Via" at 152.611,193.936 h1.52
  text "Rounded" at 167.593,193.936 h1.52
  text "v45h20m0mx0" at 186.536,193.936 h1.52
  text "-" at 295.014,193.936 h1.52
  text "-" at 317.004,193.936 h1.52
  text "12 Total" at 32.249,190.126 h1.52
  text "Rigid Section" at 48.423,181.19 h1.52
  text "Symbol" at 18.878,168.622 h1.83
  text "Count" at 31.727,168.622 h1.83
  text "Hole Size" at 46.455,168.622 h1.83
  text "Plated" at 74.895,168.622 h1.83
  text "Hole Type" at 87.744,168.622 h1.83
  text "Drill Layer Pair" at 106.383,168.622 h1.83
  text "Via/Pad" at 144.471,168.622 h1.83
  text "Pad Shape" at 159.453,168.622 h1.83
  text "Template" at 178.397,168.622 h1.83
  text "Description" at 209.883,168.622 h1.83
  text "Hole Tolerance (+)" at 231.569,168.622 h1.83
  text "Hole Tolerance (-)" at 265.443,168.622 h1.83
  text "Hole Length" at 299.316,168.622 h1.83
  text "Routed Path Length" at 327.756,168.622 h1.83
  text "1" at 31.727,164.812 h1.52
  text "0,650mm (25,59mil)" at 46.455,164.812 h1.52
  text "NPTH" at 74.895,164.812 h1.52
  text "Round" at 87.744,164.812 h1.52
  text "Top Layer - Bottom Layer" at 106.383,164.812 h1.52
  text "Pad" at 144.471,164.812 h1.52
  text "Rounded" at 159.453,164.812 h1.52
  text "c65hn65" at 178.397,164.812 h1.52
  text "-" at 299.316,164.812 h1.52
  text "-" at 327.756,164.812 h1.52
  text "1" at 31.727,161.002 h1.52
  text "0,650mm (25,59mil)" at 46.455,161.002 h1.52
  text "NPTH" at 74.895,161.002 h1.52
  text "Slot" at 87.744,161.002 h1.52
  text "Top Layer - Bottom Layer" at 106.383,161.002 h1.52
  text "Pad" at 144.471,161.002 h1.52
  text "Rounded" at 159.453,161.002 h1.52
  text "r85_65hn65_85r100" at 178.397,161.002 h1.52
  text "0,850mm (33,47mil)" at 299.316,161.002 h1.52
  text "0,200mm (7,87mil)" at 327.756,161.002 h1.52
  text "1" at 31.727,157.192 h1.52
  text "1,070mm (42,13mil)" at 46.455,157.192 h1.52
  text "PTH" at 74.895,157.192 h1.52
  text "Round" at 87.744,157.192 h1.52
  text "Top Layer - Bottom Layer" at 106.383,157.192 h1.52
  text "Pad" at 144.471,157.192 h1.52
  text "Rounded" at 159.453,157.192 h1.52
  text "r130_170h107r100z130" at 178.397,157.192 h1.52
  text "-" at 299.316,157.192 h1.52
  text "-" at 327.756,157.192 h1.52
  text "2" at 31.727,153.382 h1.52
  text "0,400mm (15,75mil)" at 46.455,153.382 h1.52
  text "PTH" at 74.895,153.382 h1.52
  text "Slot" at 87.744,153.382 h1.52
  text "Top Layer - Bottom Layer" at 106.383,153.382 h1.52
  text "Pad" at 144.471,153.382 h1.52
  text "Rounded" at 159.453,153.382 h1.52
  text "r130_65h40_90r100" at 178.397,153.382 h1.52
  text "0,900mm (35,43mil)" at 299.316,153.382 h1.52
  text "0,500mm (19,69mil)" at 327.756,153.382 h1.52
  text "2" at 31.727,149.572 h1.52
  text "0,500mm (19,69mil)" at 46.455,149.572 h1.52
  text "PTH" at 74.895,149.572 h1.52
  text "Slot" at 87.744,149.572 h1.52
  text "Top Layer - Bottom Layer" at 106.383,149.572 h1.52
  text "Pad" at 144.471,149.572 h1.52
  text "Rounded" at 159.453,149.572 h1.52
  text "(Mixed)" at 178.397,149.572 h1.52
  text "1,100mm (43,31mil)" at 299.316,149.572 h1.52
  text "0,600mm (23,62mil)" at 327.756,149.572 h1.52
  text "2" at 31.727,145.762 h1.52
  text "0,640mm (25,20mil)" at 46.455,145.762 h1.52
  text "NPTH" at 74.895,145.762 h1.52
  text "Round" at 87.744,145.762 h1.52
  text "Top Layer - Bottom Layer" at 106.383,145.762 h1.52
  text "Pad" at 144.471,145.762 h1.52
  text "Rounded" at 159.453,145.762 h1.52
  text "c32hn64" at 178.397,145.762 h1.52
  text "-" at 299.316,145.762 h1.52
  text "-" at 327.756,145.762 h1.52
  text "4" at 31.727,141.952 h1.52
  text "0,500mm (19,69mil)" at 46.455,141.952 h1.52
  text "PTH" at 74.895,141.952 h1.52
  text "Slot" at 87.744,141.952 h1.52
  text "Top Layer - Bottom Layer" at 106.383,141.952 h1.52
  text "Pad" at 144.471,141.952 h1.52
  text "Rounded" at 159.453,141.952 h1.52
  text "r200_100h50_150r100" at 178.397,141.952 h1.52
  text "1,500mm (59,06mil)" at 299.316,141.952 h1.52
  text "1,000mm (39,37mil)" at 327.756,141.952 h1.52
  text "10" at 31.727,138.142 h1.52
  text "0,400mm (15,75mil)" at 46.455,138.142 h1.52
  text "PTH" at 74.895,138.142 h1.52
  text "Round" at 87.744,138.142 h1.52
  text "Top Layer - Bottom Layer" at 106.383,138.142 h1.52
  text "Pad" at 144.471,138.142 h1.52
  text "Rounded" at 159.453,138.142 h1.52
  text "(Mixed)" at 178.397,138.142 h1.52
  text "-" at 299.316,138.142 h1.52
  text "-" at 327.756,138.142 h1.52
  text "10" at 31.727,134.332 h1.52
  text "0,800mm (31,50mil)" at 46.455,134.332 h1.52
  text "PTH" at 74.895,134.332 h1.52
  text "Round" at 87.744,134.332 h1.52
  text "Top Layer - Bottom Layer" at 106.383,134.332 h1.52
  text "Pad" at 144.471,134.332 h1.52
  text "Octagonal" at 159.453,134.332 h1.52
  text "r128_102h80c50" at 178.397,134.332 h1.52
  text "-" at 299.316,134.332 h1.52
  text "-" at 327.756,134.332 h1.52
  text "108" at 31.727,130.522 h1.52
  text "0,200mm (7,87mil)" at 46.455,130.522 h1.52
  text "PTH" at 74.895,130.522 h1.52
  text "Round" at 87.744,130.522 h1.52
  text "Top Layer - Bottom Layer" at 106.383,130.522 h1.52
  text "Via" at 144.471,130.522 h1.52
  text "Rounded" at 159.453,130.522 h1.52
  text "v45h20m0mx0" at 178.397,130.522 h1.52
  text "-" at 299.316,130.522 h1.52
  text "-" at 327.756,130.522 h1.52
  text "141 Total" at 31.727,126.712 h1.52
  text "Slot definitions :" at 18.878,123.03 h1.52
  text "Routed Path Length" at 45.108,123.03 h1.52
  text "= Calculated from tool start centre position to tool end centre position." at 73.116,123.03 h1.52
  text "Hole Length" at 45.108,120.491 h1.52
  text "= Routed Path Length + Tool Size = Slot length as defined in the PCB layout" at 62.705,120.491 h1.52
  text "Symbol" at 18.499,114.062 h1.83
  text "Count" at 31.348,114.062 h1.83
  text "Hole Size" at 45.06,114.062 h1.83
  text "Plated" at 71.977,114.062 h1.83
  text "Hole Type" at 84.826,114.062 h1.83
  text "Drill Layer Pair" at 103.464,114.062 h1.83
  text "Via/Pad" at 144.854,114.062 h1.83
  text "Pad Shape" at 159.836,114.062 h1.83
  text "Template" at 178.779,114.062 h1.83
  text "Description" at 197.824,114.062 h1.83
  text "Hole Tolerance (+)" at 219.51,114.062 h1.83
  text "Hole Tolerance (-)" at 253.383,114.062 h1.83
  text "Hole Length" at 287.257,114.062 h1.83
  text "Routed Path Length" at 309.247,114.062 h1.83
  text "23" at 31.348,110.252 h1.52
  text "0,200mm (7,87mil)" at 45.06,110.252 h1.52
  text "PTH" at 71.977,110.252 h1.52
  text "Round" at 84.826,110.252 h1.52
  text "Top Layer - Signal Layer 2" at 103.464,110.252 h1.52
  text "Via" at 144.854,110.252 h1.52
  text "Rounded" at 159.836,110.252 h1.52
  text "v45h20m0mx0" at 178.779,110.252 h1.52
  text "-" at 287.257,110.252 h1.52
  text "-" at 309.247,110.252 h1.52
  text "55" at 31.348,106.442 h1.52
  text "0,100mm (3,94mil)" at 45.06,106.442 h1.52
  text "PTH" at 71.977,106.442 h1.52
  text "Round" at 84.826,106.442 h1.52
  text "Top Layer - Signal Layer 2" at 103.464,106.442 h1.52
  text "Via" at 144.854,106.442 h1.52
  text "Rounded" at 159.836,106.442 h1.52
  text "v30h10m0" at 178.779,106.442 h1.52
  text "-" at 287.257,106.442 h1.52
  text "-" at 309.247,106.442 h1.52
  text "78 Total" at 31.348,102.632 h1.52
  text "Symbol" at 18.95,94.406 h1.83
  text "Count" at 31.799,94.406 h1.83
  text "Hole Size" at 46.781,94.406 h1.83
  text "Plated" at 73.697,94.406 h1.83
  text "Hole Type" at 86.546,94.406 h1.83
  text "Drill Layer Pair" at 105.185,94.406 h1.83
  text "Via/Pad" at 150.383,94.406 h1.83
  text "Pad Shape" at 165.365,94.406 h1.83
  text "Template" at 184.309,94.406 h1.83
  text "Description" at 203.353,94.406 h1.83
  text "Hole Tolerance (+)" at 225.039,94.406 h1.83
  text "Hole Tolerance (-)" at 258.912,94.406 h1.83
  text "Hole Length" at 292.786,94.406 h1.83
  text "Routed Path Length" at 314.776,94.406 h1.83
  text "32" at 31.799,90.596 h1.52
  text "0,200mm (7,87mil)" at 46.781,90.596 h1.52
  text "PTH" at 73.697,90.596 h1.52
  text "Round" at 86.546,90.596 h1.52
  text "Signal Layer 5 - Bottom Layer" at 105.185,90.596 h1.52
  text "Via" at 150.383,90.596 h1.52
  text "Rounded" at 165.365,90.596 h1.52
  text "v45h20m0mx0" at 184.309,90.596 h1.52
  text "-" at 292.786,90.596 h1.52
  text "-" at 314.776,90.596 h1.52
  text "123" at 31.799,86.786 h1.52
  text "0,100mm (3,94mil)" at 46.781,86.786 h1.52
  text "PTH" at 73.697,86.786 h1.52
  text "Round" at 86.546,86.786 h1.52
  text "Signal Layer 5 - Bottom Layer" at 105.185,86.786 h1.52
  text "Via" at 150.383,86.786 h1.52
  text "Rounded" at 165.365,86.786 h1.52
  text "v30h10mx0" at 184.309,86.786 h1.52
  text "-" at 292.786,86.786 h1.52
  text "-" at 314.776,86.786 h1.52
  text "155 Total" at 31.799,82.976 h1.52
Flext Paste TOP (Mech40):
  region: 12.95,59.601 12.95,60.051 12.55,60.051 12.55,59.601
  region: 13.55,59.601 13.55,60.051 13.15,60.051 13.15,59.601
  region: 13.55,58.901 13.55,59.351 13.15,59.351 13.15,58.901
  region: 12.95,58.901 12.95,59.351 12.55,59.351 12.55,58.901
  region: 15.35,61.647 15.35,62.097 14.95,62.097 14.95,61.647
  region: 15.93,61.651 15.93,62.101 15.53,62.101 15.53,61.651
  region: 15.93,60.951 15.93,61.401 15.53,61.401 15.53,60.951
  region: 15.35,60.947 15.35,61.397 14.95,61.397 14.95,60.947
  region: 16.73,61.301 16.73,61.751 16.33,61.751 16.33,61.301
  region: 16.73,60.601 16.73,61.051 16.33,61.051 16.33,60.601
  region: 15.93,59.101 15.93,59.551 15.53,59.551 15.53,59.101
  region: 15.93,58.401 15.93,58.851 15.53,58.851 15.53,58.401
  rectangle: 13.725,58.101 14.375,58.751
  rectangle: 13.723,59.003 14.373,59.653
  rectangle: 14.58,59.001 15.23,59.651
  rectangle: 14.58,58.101 15.23,58.751
  rectangle: 16.168,59.601 16.818,60.251
  rectangle: 16.168,58.701 16.818,59.351
  text "Flex_Paste_TOP" at 21.873,45.542 h1.52
Flex solder BOT:
  rectangle: 17.7,51.175 18.175,51.875
  rectangle: 18.35,51.175 18.825,51.875
  rectangle: 19,51.175 19.475,51.875
  rectangle: 19,49.075 19.475,49.775
  rectangle: 18.35,49.075 18.825,49.775
  rectangle: 17.7,49.075 18.175,49.775
  rectangle: 13.105,57.867 13.58,58.692
  rectangle: 13.905,57.867 14.38,58.692
  rectangle: 14.705,57.867 15.18,58.692
  rectangle: 15.505,57.867 15.98,58.692
  rectangle: 16.305,57.867 16.78,58.692
  rectangle: 17.105,57.867 17.58,58.692
  rectangle: 17.905,57.867 18.38,58.692
  rectangle: 13.105,60.267 13.58,61.092
  rectangle: 13.905,60.267 14.38,61.092
  rectangle: 14.705,60.267 15.18,61.092
  rectangle: 15.505,60.267 15.98,61.092
  rectangle: 16.305,60.267 16.78,61.092
  rectangle: 17.105,60.267 17.58,61.092
  rectangle: 17.905,60.267 18.38,61.092
  rectangle: 18.464,48.025 19.014,48.525
  region: 19.635,47.351 19.635,47.901 19.135,47.901 19.135,47.351
  region: 19.635,47.991 19.635,48.541 19.135,48.541 19.135,47.991
  rectangle: 17.799,48.025 18.349,48.525
  rectangle: 17.799,47.425 18.349,47.925
  rectangle: 18.464,47.425 19.014,47.925
  rectangle: 18.464,46.85 19.014,47.35
  rectangle: 17.799,46.85 18.349,47.35
  text "Flex_Solder_BOT" at 21.798,34.717 h1.52
Flex paste BOT:
  rectangle: 17.75,51.225 18.1,51.825
  rectangle: 18.4,51.225 18.75,51.825
  rectangle: 19.05,51.225 19.4,51.825
  rectangle: 17.75,49.125 18.1,49.725
  rectangle: 18.4,49.125 18.75,49.725
  rectangle: 19.05,49.125 19.4,49.725
  rectangle: 13.155,57.892 13.505,58.642
  rectangle: 13.955,57.892 14.305,58.642
  rectangle: 14.755,57.892 15.105,58.642
  rectangle: 13.155,60.292 13.505,61.042
  rectangle: 13.955,60.292 14.305,61.042
  rectangle: 14.755,60.292 15.105,61.042
  rectangle: 15.555,60.292 15.905,61.042
  rectangle: 16.355,60.292 16.705,61.042
  rectangle: 17.155,60.292 17.505,61.042
  rectangle: 17.955,60.292 18.305,61.042
  rectangle: 15.555,57.892 15.905,58.642
  rectangle: 16.355,57.892 16.705,58.642
  rectangle: 17.155,57.892 17.505,58.642
  rectangle: 17.955,57.892 18.305,58.642
  region: 19.585,48.041 19.585,48.491 19.185,48.491 19.185,48.041
  region: 19.585,47.401 19.585,47.851 19.185,47.851 19.185,47.401
  rectangle: 18.514,48.075 18.964,48.475
  rectangle: 18.514,47.475 18.964,47.875
  rectangle: 17.814,47.475 18.264,47.875
  rectangle: 17.814,48.075 18.264,48.475
  rectangle: 17.814,46.9 18.264,47.3
  rectangle: 18.514,46.9 18.964,47.3
  text "Flex_Paste_BOT" at 21.813,32.167 h1.52
Flex_Solder_TOP:
  region: 15.98,58.351 15.98,58.901 15.48,58.901 15.48,58.351
  region: 15.98,59.051 15.98,59.601 15.48,59.601 15.48,59.051
  region: 16.78,60.551 16.78,61.101 16.28,61.101 16.28,60.551
  region: 16.78,61.251 16.78,61.801 16.28,61.801 16.28,61.251
  region: 15.4,60.897 15.4,61.447 14.9,61.447 14.9,60.897
  region: 15.98,60.901 15.98,61.451 15.48,61.451 15.48,60.901
  region: 15.98,61.601 15.98,62.151 15.48,62.151 15.48,61.601
  region: 15.4,61.597 15.4,62.147 14.9,62.147 14.9,61.597
  region: 13,58.851 13,59.401 12.5,59.401 12.5,58.851
  region: 13.6,58.851 13.6,59.401 13.1,59.401 13.1,58.851
  region: 13.6,59.551 13.6,60.101 13.1,60.101 13.1,59.551
  region: 13,59.551 13,60.101 12.5,60.101 12.5,59.551
  rectangle: 13.675,58.051 14.425,58.801
  rectangle: 13.675,58.951 14.425,59.701
  rectangle: 14.53,58.951 15.28,59.701
  rectangle: 14.53,58.051 15.28,58.801
  rectangle: 16.118,58.651 16.868,59.401
  rectangle: 16.118,59.551 16.868,60.301
  text "Flex_Solder_TOP" at 21.873,42.892 h1.52
Assembly BOT:
  text "Assembly_BOT" at -0.595,-32.46 h1.52

## Dimensions
0,21.3 to 11.75,54.876 on Top Overlay
18,64 to 24.5,21 on Top Overlay
23,64 to 11.75,64 on Top Overlay
0,0 to 25,-1.108 on Top Overlay
38.7,0 to 19.75,64 on Top Overlay

## Text inside footprints (layer, text, board x,y; h text height)
DS1: Bottom Overlay "30" at 24.55,0.15 h0.7; Bottom Overlay "1" at 3.525,3.367 h0.8
LS1: Top Overlay "+" at 21.503,11.603 h0.8 r270
U15: Mechanical 5 "B16" at 14.346,10.653 h0.08; Mechanical 5 "B26" at 12.346,10.653 h0.08; Mechanical 5 "AK16" at 14.386,4.653 h0.08; Mechanical 5 "AK26" at 12.386,4.653 h0.08; Mechanical 5 "B6" at 16.317,10.653 h0.08; Mechanical 5 "AK6" at 16.356,4.653 h0.08; Mechanical 5 "T2" at 17.376,7.652 h0.08; Mechanical 5 "F2" at 17.376,9.652 h0.08; Mechanical 5 "AF2" at 17.456,5.652 h0.08; Mechanical 5 "B28" at 11.946,10.653 h0.08; Mechanical 5 "A27" at 12.15,11.053 h0.08; Mechanical 5 "B30" at 11.546,10.653 h0.08; Mechanical 5 "C31" at 10.926,10.252 h0.08; Mechanical 5 "E31" at 10.926,9.852 h0.08; Mechanical 5 "N31" at 10.926,8.252 h0.08; Mechanical 5 "R31" at 10.926,7.852 h0.08; Mechanical 5 "L31" at 10.926,8.652 h0.08; Mechanical 5 "G31" at 10.926,9.452 h0.08; Mechanical 5 "J31" at 10.926,9.052 h0.08; Mechanical 5 "AE31" at 10.926,5.852 h0.08; Mechanical 5 "AC31" at 10.926,6.252 h0.08; Mechanical 5 "W31" at 10.926,7.052 h0.08; Mechanical 5 "AA31" at 10.926,6.652 h0.08; Mechanical 5 "U31" at 10.926,7.452 h0.08; Mechanical 5 "AK30" at 11.586,4.653 h0.08; Mechanical 5 "AJ31" at 10.926,5.052 h0.08; Mechanical 5 "AG31" at 10.926,5.452 h0.08; Mechanical 5 "AK28" at 11.986,4.653 h0.08; Mechanical 5 "AL27" at 12.192,4.253 h0.08; Mechanical 5 "AL29" at 11.792,4.253 h0.08; Mechanical 5 "B22" at 13.146,10.653 h0.08; Mechanical 5 "A19" at 13.75,11.053 h0.08; Mechanical 5 "A17" at 14.15,11.053 h0.08; Mechanical 5 "B18" at 13.946,10.653 h0.08; Mechanical 5 "A21" at 13.35,11.052 h0.08; Mechanical 5 "B20" at 13.546,10.653 h0.08; Mechanical 5 "A25" at 12.55,11.053 h0.08; Mechanical 5 "A23" at 12.95,11.052 h0.08; Mechanical 5 "B24" at 12.746,10.653 h0.08; Mechanical 5 "AK22" at 13.186,4.653 h0.08; Mechanical 5 "AL19" at 13.792,4.253 h0.08; Mechanical 5 "AL17" at 14.192,4.253 h0.08; Mechanical 5 "AK18" at 13.986,4.653 h0.08; Mechanical 5 "AL21" at 13.392,4.253 h0.08; Mechanical 5 "AK20" at 13.586,4.652 h0.08; Mechanical 5 "AL25" at 12.592,4.253 h0.08; Mechanical 5 "AL23" at 12.992,4.253 h0.08; Mechanical 5 "AK24" at 12.786,4.653 h0.08; Mechanical 5 "A15" at 14.55,11.053 h0.08; Mechanical 5 "B8" at 15.917,10.653 h0.08; Mechanical 5 "B12" at 15.146,10.653 h0.08; Mechanical 5 "B10" at 15.546,10.653 h0.08; Mechanical 5 "A13" at 14.95,11.052 h0.08; Mechanical 5 "B14" at 14.746,10.653 h0.08; Mechanical 5 "AL15" at 14.592,4.253 h0.08; Mechanical 5 "AL9" at 15.792,4.253 h0.08; Mechanical 5 "AL7" at 16.163,4.253 h0.08; Mechanical 5 "AK8" at 15.956,4.653 h0.08; Mechanical 5 "AK12" at 15.186,4.653 h0.08; Mechanical 5 "AL11" at 15.392,4.253 h0.08; Mechanical 5 "AK10" at 15.586,4.652 h0.08; Mechanical 5 "AL13" at 14.992,4.253 h0.08; Mechanical 5 "AK14" at 14.786,4.653 h0.08; Mechanical 5 "B2" at 17.101,10.64 h0.08; Mechanical 5 "A5" at 16.52,11.053 h0.08; Mechanical 5 "B4" at 16.717,10.653 h0.08; Mechanical 5 "C1" at 17.717,10.252 h0.08; Mechanical 5 "E1" at 17.697,9.852 h0.08; Mechanical 5 "D2" at 17.376,10.052 h0.08; Mechanical 5 "K2" at 17.376,8.852 h0.08; Mechanical 5 "N1" at 17.697,8.252 h0.08; Mechanical 5 "R1" at 17.704,7.852 h0.08; Mechanical 5 "P2" at 17.376,8.052 h0.08; Mechanical 5 "L1" at 17.737,8.652 h0.08; Mechanical 5 "M2" at 17.376,8.452 h0.08; Mechanical 5 "G1" at 17.717,9.452 h0.08; Mechanical 5 "J1" at 17.717,9.052 h0.08; Mechanical 5 "H2" at 17.376,9.252 h0.08; Mechanical 5 "AB2" at 17.456,6.452 h0.08; Mechanical 5 "AE1" at 17.769,5.852 h0.08; Mechanical 5 "AC1" at 17.789,6.252 h0.08; Mechanical 5 "AD2" at 17.456,6.052 h0.08; Mechanical 5 "W1" at 17.717,7.052 h0.08; Mechanical 5 "AA1" at 17.782,6.652 h0.08; Mechanical 5 "Y2" at 17.376,6.852 h0.08; Mechanical 5 "U1" at 17.717,7.452 h0.08; Mechanical 5 "V2" at 17.376,7.252 h0.08; Mechanical 5 "AL3" at 16.963,4.253 h0.08; Mechanical 5 "AK2" at 17.156,4.679 h0.08; Mechanical 5 "AL5" at 16.563,4.253 h0.08; Mechanical 5 "AK4" at 16.756,4.653 h0.08; Mechanical 5 "AH2" at 17.456,5.252 h0.08; Mechanical 5 "AJ1" at 17.789,5.052 h0.08; Mechanical 5 "AG1" at 17.789,5.452 h0.08